# KiCad board Leonhart.kicad_pcb (continued)
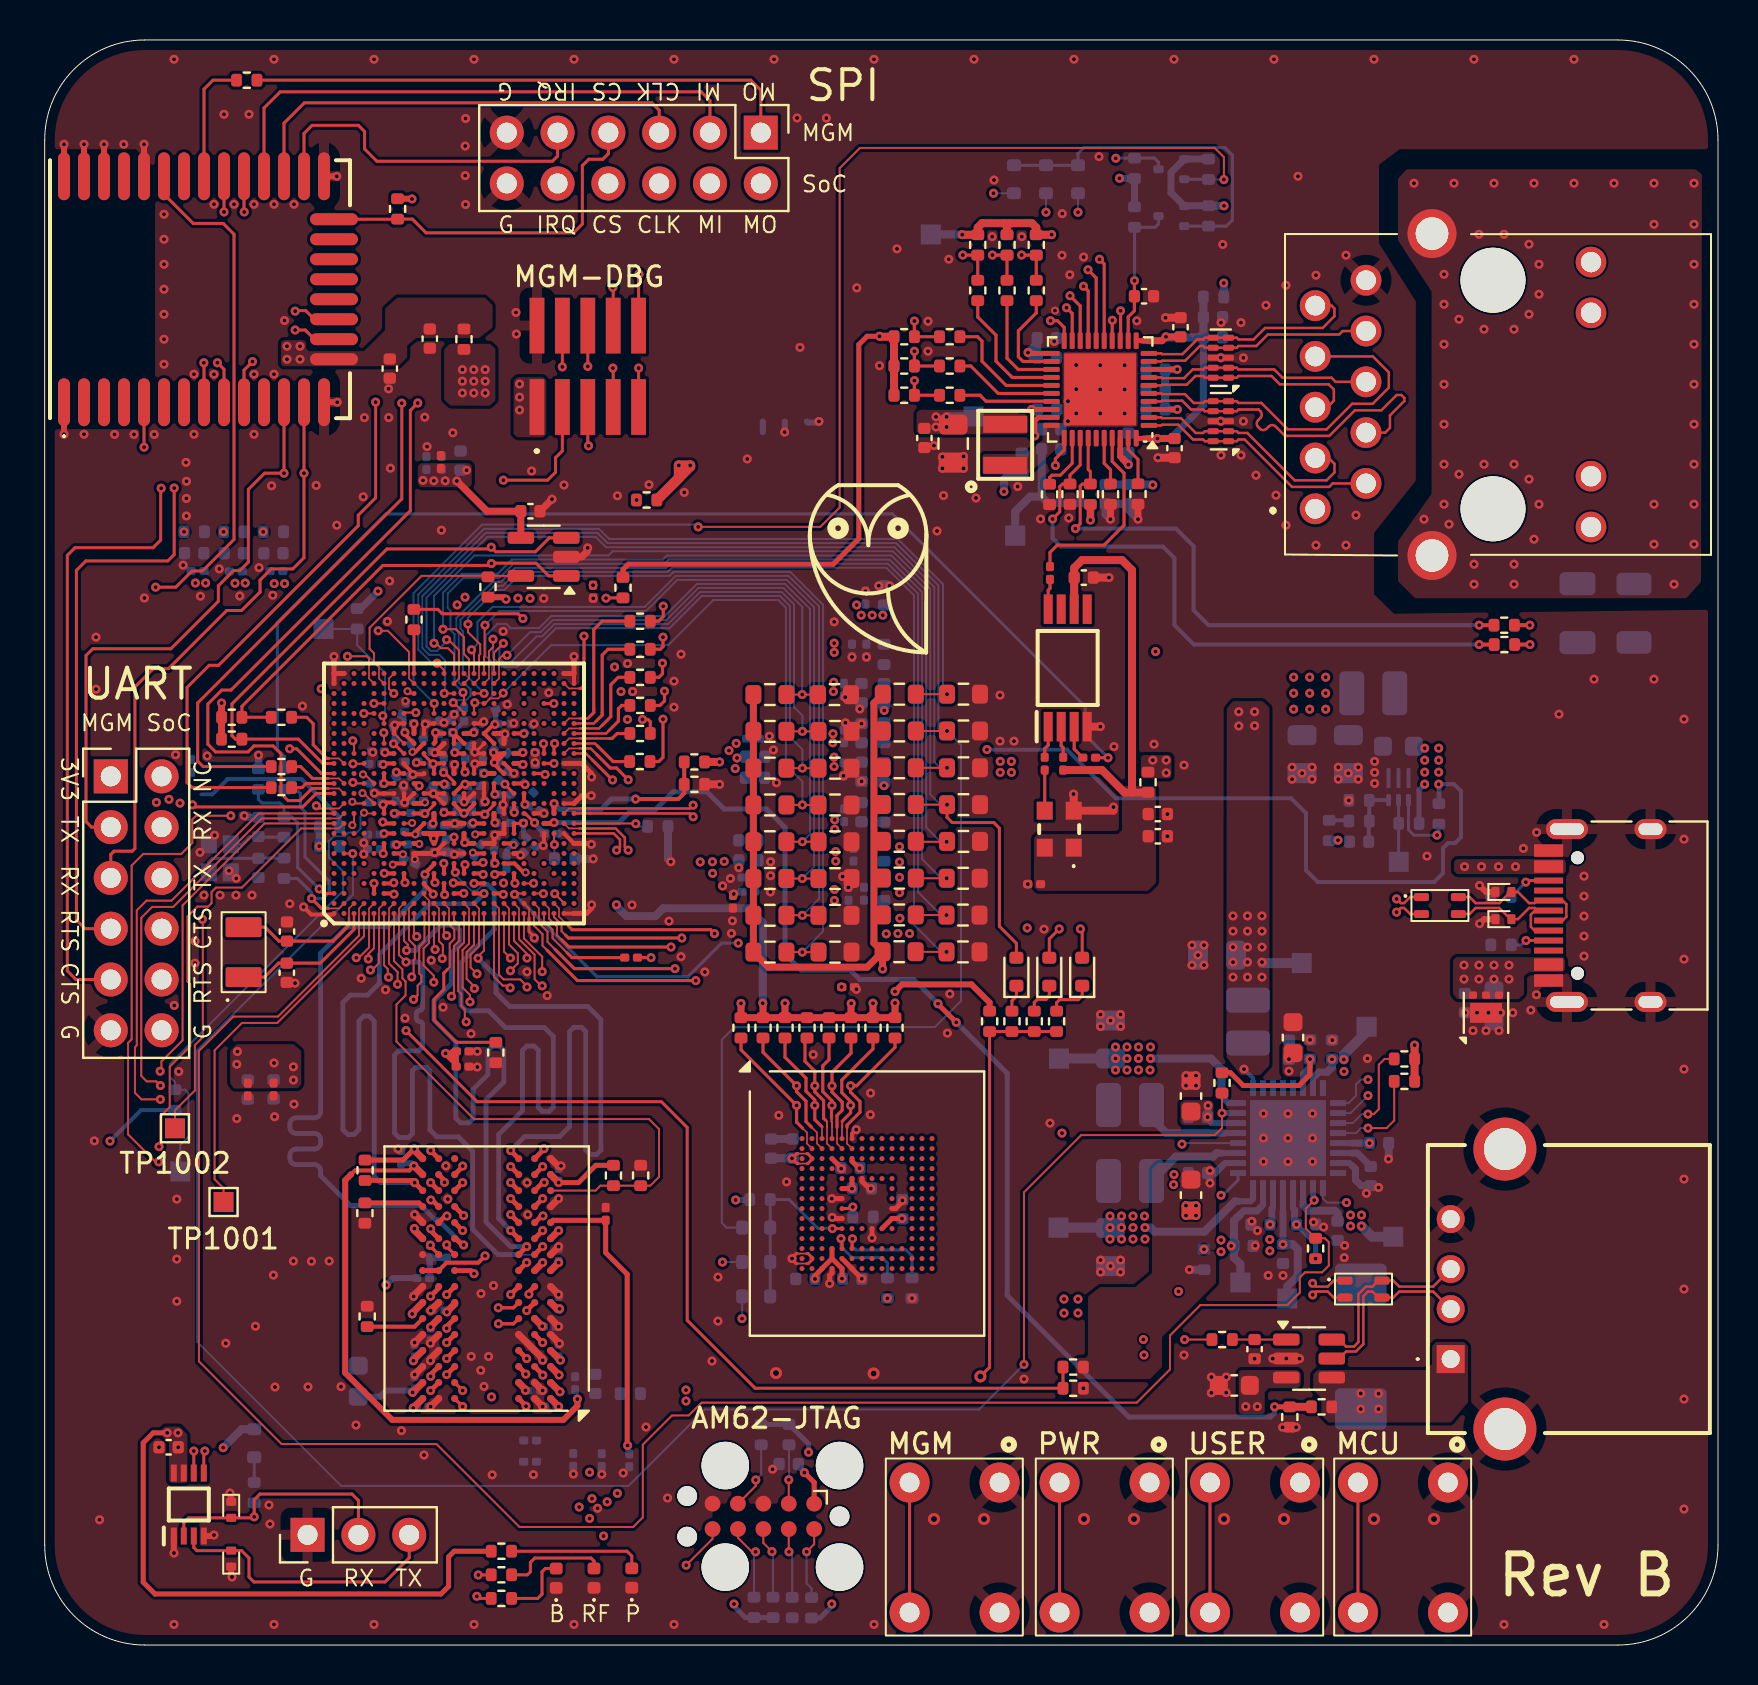
[diagram p0: board, top side]
## Routing (per net, layer and track width the routed paths; a pad name or vN(x,y) marks a point on that pad's centre or on a via; arc(x,y) is an arc through that point) (continued)
  Top w0.35: v1(19.3,16.73) U4001.G8 ; v1(27.15,54.87) 27.15,54.71 26.85,54.42 U1004.2 ; 25.3,24.33 25.67,23.96 v1(25.82,23.96) ; R5021.1 53.29,56.31 v1(53.28,56.3) ; v1(25.36,57.3) 24.76,56.7 ; v1(25.7,22.33) U4001.N1 ; v1(18.44,17.44) 18.5,17.49 18.5,17.53 U4001.H9 ; U4001.E8 19.29,15.12 19.29,15.09 v1(19.28,15.09) ; U4001.E3 U4001.D2 24.9,14.33 v1(24.9,14.24) ; v1(19.29,14.22) 19.29,14.31 U4001.D8 ; v1(18.5,13.53) U4001.C9 ; v1(24.9,12.72) U4001.B2 ; v1(25.7,15.93) U4001.F1 ; R5023.2 v1(54.66,56.3) ; v1(19.3,11.93) U4001.A8 ; v1(25.74,15.07) 25.71,15.1 25.71,15.11 U4001.E1 ; v1(24.9,11.93) U4001.A2 ; v1(18.5,21.53) U4001.M9 ; v1(18.5,15.12) U4001.E9 ; v1(25.7,19.93) U4001.K1 ; v1(25.7,17.53) U4001.H1
  Top w0.4: C5002.2 v1(55.66,59.38) ; C5001.2 56.04,66.38 v1(56.04,66.38) ; v1(52.78,45.93) 52.77,45.92 U1001.4 ; 32.99,43.04 v1(33.74,43.04) ; v1(51.44,42.56) 51.45,42.55 X1001.2 53.43,41.72 53.43,41.9 v1(53.44,41.91) ; 52.43,53.38 v1(53.21,53.38)
  Bottom w0.203: v1(20.47,46.55) 20.78,46.85 C3072.2
  Bottom w0.254: v1(19.5,39.62) 19.58,39.7 20.36,39.7 20.48,39.59 v1(20.48,39.53) 20.54,39.59 C3085.2 ; 20.66,41.04 20.55,41.04 v1(20.5,41.09) 20.4,40.98 C3110.2 ; 21.34,42.33 21.14,42.33 v1(20.97,42.16) 20.8,42.33 20.59,42.33 20.58,42.34 ; C3107.2 23.27,43.59 v1(23.46,43.59) ; C3118.2 24.58,39.98 v1(24.93,39.98) ; C3071.2 20.14,46.27 20,46.12 v1(19.96,46.12) 19.93,46.12 19.83,46.23 19.71,46.23 ; C3035.2 21.24,44.91 v1(21.5,44.65)
  Bottom w0.3: 65.37,23.97 65.24,24.1 U3001.15 ; 38.1,61.19 38.15,61.14 38.66,61.14 v1(38.71,61.19) ; 35.9,61.19 35.9,60.66 ; 37,61.19 37,60.67 v1(37,60.66)
  Bottom w0.35: 10.68,43.81 10.68,44.5 v1(10.69,44.5) ; 10.68,41.39 10.05,41.39 v1(9.97,41.47) ; C3018.2 65.82,22.97 65.54,23.25 65.54,23.8 65.37,23.97
  Bottom w0.4: C3017.2 67.2,24.32 v1(67.19,24.31) ; v1(31.3,39.17) 31.16,39.31 R6015.1 ; R6018.1 v1(27.42,39.31) ; v1(54.66,56.3) 54.14,56.82 C5013.2 C5014.2 53.04,56.54 v1(53.28,56.3) ; C6009.2 C6008.2
  vias: v1(1.96,60.55) v1(2.48,25.21) v1(2.56,50.4) v1(2.56,47.8) v1(2.74,6.26) v1(3.49,60.54) v1(3.95,75.05) v1(4.46,60.54) v1(4.98,52.36) v1(5.47,60.54) v1(5.71,9.89) v1(5.96,71.55) v1(5.96,70.3) v1(5.96,69.05) v1(5.96,67.8) v1(5.96,66.55) v1(5.96,65.3) v1(5.96,64.05) v1(6.46,79.3) v1(6.48,31.98) v1(6.46,1.03) v1(6.54,44.52) v1(6.6,22.3) v1(6.6,19.3) v1(6.6,17.19) v1(6.7,28.68) v1(6.92,54) v1(7.06,59.14) v1(7.09,58.2) v1(7.08,57.34) v1(7.08,56.46) v1(7.46,63.55) v1(7.46,60.55) v1(7.51,35.2) v1(7.51,34.1) v1(7.78,52.45) v1(7.76,39.64) v1(7.96,37.5) v1(8.12,44.46) v1(8.46,72.05) v1(8.46,63.55) v1(8.49,40.5) v1(8.73,53.82) v1(8.76,37.5) v1(8.96,76.55) v1(9.05,15.09) v1(9.21,38.72) v1(9.46,72.05) v1(9.57,38.34) v1(9.56,37.5) v1(9.6,26.33) v1(9.75,52.46) v1(10.21,76.55) v1(10.36,37.5) v1(10.46,72.05) v1(10.46,63.55) v1(10.46,60.55) v1(10.54,15.94) v1(10.72,53.88) v1(11.21,7) v1(11.26,6.05) v1(11.34,57.97) v1(11.4,52.5) v1(11.46,79.3) v1(11.46,72.05) v1(11.46,63.55) v1(11.49,26.42) v1(11.43,18.5) v1(11.46,1.03) v1(11.51,12.9) v1(11.99,66.24) v1(12.25,37.07) v1(12.46,72.05) v1(12.46,27.05) v1(12.43,19.2) v1(12.51,33.1) v1(12.89,46.95) v1(13.16,12.91) v1(13.33,19.19) v1(13.57,57.99) v1(14.22,19.2) v1(14.6,56) v1(14.81,12.92) v1(15.56,11) v1(15.82,33.34) v1(15.98,61.38) v1(15.92,57.42) v1(15.95,40.12) v1(15.95,39.55) v1(16.41,44.64) v1(16.46,79.3) v1(16.46,1.03) v1(17.04,32.77) v1(17.19,62.82) v1(17.2,61.38) v1(17.13,51.19) v1(17.28,58.85) v1(17.24,53.21) v1(17.67,24.81) v1(17.83,10.72) v1(17.95,43) v1(18.01,31.34) v1(19,61.4) v1(18.96,9.5) v1(19.12,59.93) v1(19.32,34.25) v1(19.83,55.75) v1(19.92,31.89) v1(20.06,23.96) v1(20.16,22.3) v1(20.4,60.62) v1(21.04,76.34) v1(21.02,74.96) v1(21.02,73.48) v1(21.04,72.04) v1(21.32,30.57) v1(21.32,14.43) v1(21.46,79.3) v1(21.46,1.03) v1(21.8,13.74) v1(21.81,17.58) v1(21.96,12.93) v1(22.19,14.43) v1(22.37,8.51) v1(22.44,17.98) v1(22.92,50.69) v1(22.94,38.11) v1(23.12,47.05) v1(23.45,46.09) v1(23.56,66.64) v1(23.58,65.56) v1(24.11,33.67) v1(24.12,23.12) v1(24.16,21.52) v1(24.34,58.71) v1(24.46,46.07) v1(24.43,8.52) v1(24.51,44.63) v1(24.52,44.13) v1(24.95,52.34) v1(25.2,47.62) v1(25.12,32.47) v1(25.96,58.01) v1(26.46,79.3) v1(26.43,8.55) v1(26.46,1.03) v1(27.42,52.34) v1(27.64,6.84) v1(27.85,8.54) v1(28.63,57.47) v1(28.92,8.6) v1(29.14,49.08) v1(29.39,47.68) v1(29.36,37.01) v1(30.06,10.9) v1(30.21,58.03) v1(31.14,7.35) v1(31.21,36.2) v1(31.46,79.3) v1(31.46,48.2) v1(31.46,46.9) v1(31.46,1.03) v1(31.81,49.55) v1(31.81,34.43) v1(31.97,57.64) v1(33.01,33.66) v1(33.36,14.2) v1(33.66,18.4) v1(33.66,16.2) v1(34.38,36.22) v1(34.33,35.59) v1(35.13,59.31) v1(36.23,45.45) v1(36.29,39.17) v1(36.29,38.47) v1(36.28,37.66) v1(36.39,8.79) v1(36.46,79.3) v1(36.43,44.76) v1(36.59,43.12) v1(36.7,26.49) v1(37.09,23.16) v1(37.62,76.37) v1(37.76,64.89) v1(38.42,29.53) v1(39.08,76.36) v1(39.47,51.17) v1(39.89,38.43) v1(39.94,43.47) v1(40.02,47.4) v1(40.03,46.12) v1(40.18,37.88) v1(40.36,49.41) v1(40.6,67.87) v1(40.58,32.79) v1(40.75,46.81) v1(40.84,46.08) v1(40.84,43.19) v1(41.03,52.7) v1(41.08,49.41) v1(41.29,27.6) v1(41.28,26.52) v1(41.46,79.3) v1(41.46,1.03) v1(41.7,52.97) v1(41.74,63.98) v1(42.24,52.97) v1(42.61,69.82) v1(43.36,17.34) v1(44.16,66.2) v1(44.16,64.7) v1(44.46,59.98) v1(44.61,55.71) v1(44.88,59.42) v1(44.88,58.84) v1(44.94,57.48) v1(45.2,69.3) v1(45.13,30.6) v1(45.25,32.56) v1(45.94,59.44) v1(45.94,58.84) v1(46.46,79.3) v1(46.56,57.36) v1(47.37,70.43) v1(47.46,73.26) v1(47.76,47.5) v1(47.76,45.2) v1(48.46,45.2) v1(48.65,57.94) v1(48.85,70.43) v1(48.96,13.3) v1(49.15,38.05) v1(49.79,56.31) v1(49.96,35.8) v1(50.26,26.1) v1(50.47,65.19) v1(50.87,71.58) v1(50.86,69.5) v1(51.16,62.2) v1(51.16,61.2) v1(51.2,56.36) v1(51.25,68.52) v1(51.46,79.3) v1(51.57,64.01) v1(51.57,62.8) v1(51.57,61.59) v1(51.94,69.41) v1(51.93,12.84) v1(52.71,74.43) v1(52.77,64) v1(52.77,62.79) v1(52.77,61.59) v1(52.79,31.53) v1(52.79,30.93) v1(52.79,19.25) v1(52.79,18.65) v1(53.29,31.23) v1(53.29,18.95) v1(53.46,44.93) v1(53.79,31.53) v1(53.79,30.93) v1(53.79,19.25) v1(53.79,18.65) v1(53.99,64) v1(53.99,62.79) v1(53.99,61.59) v1(54.6,66.22) v1(54.96,14.5) v1(55.46,45.05) v1(56.13,41.56) v1(56.13,40.45) v1(56.46,79.3) v1(56.46,23.53) v1(56.44,23.02) v1(56.69,17.68) v1(56.96,44) v1(56.96,14.5) v1(57.06,28.48) v1(57.06,27.98) v1(57.06,21.98) v1(57.06,21.48) v1(57.36,35) v1(57.36,34) v1(57.56,28.48) v1(57.56,27.98) v1(57.56,21.98) v1(57.56,21.48) v1(57.66,34.5) v1(57.96,35) v1(57.96,34) v1(58.33,13.4) v1(58.33,12.61) v1(58.8,64.38) v1(58.8,61.2) v1(58.9,70.04) v1(58.81,66.13) v1(58.81,59.5) v1(59.07,13.4) v1(59.07,12.62) v1(59.81,66.13) v1(59.81,59.5) v1(59.93,64.37) v1(59.93,61.2) v1(60.35,21.19) v1(60.49,14.32) v1(60.56,58.5) v1(60.52,19.97) v1(60.63,20.72) v1(60.94,26.58) v1(60.94,25.35) v1(60.94,24.18) v1(61.06,67) v1(61.17,18.48) v1(61.4,14.32) v1(61.46,79.3) v1(61.56,57.5) v1(61.89,10.89) v1(61.91,18.48) v1(62.06,68) v1(62.06,56) v1(62.08,14.33) v1(62.16,26.58) v1(62.16,25.35) v1(62.16,24.18) v1(62.37,43.9) v1(62.37,43.3) v1(62.57,10.89) v1(62.66,73.45) v1(62.74,14.32) v1(62.87,43.6) v1(63.26,30.26) v1(63.37,43.9) v1(63.37,43.3) v1(63.39,26.58) v1(63.39,25.35) v1(63.39,24.18) v1(63.44,21.15) v1(63.56,68.5) v1(63.56,55) v1(63.94,20.9) v1(64.38,30.25) v1(64.68,43.9) v1(64.68,43.3) v1(64.99,19.98) v1(64.97,19.37) v1(65.06,69.5) v1(65.06,55) v1(65.18,43.6) v1(65.21,42.24) v1(65.56,56.5) v1(65.68,43.9) v1(65.68,43.3) v1(66.08,22.59) v1(66.14,29.33) v1(66.46,79.3) v1(66.49,44.19) v1(66.49,43.64) v1(66.49,43.09) v1(66.69,22.88) v1(69.11,39.45) v1(71.01,31.62) v1(71.46,79.3) v1(71.41,30.73) v1(71.61,31.62) v1(72.06,30.73) v1(72.18,31.62) v1(72.79,31.62) v1(72.71,30.73) v1(72.96,1.03) v1(73.4,31.62) v1(73.93,39.84) v1(74.3,31.75) v1(74.59,40.64) v1(74.58,32.52) v1(75.71,46.55) v1(76.46,79.3) v1(76.96,38.45) v1(76.96,37.45) v1(76.96,36.45) v1(76.96,35.45) v1(76.96,34.45) v1(77.46,48.3) v1(77.96,1.03) v1(80.46,48.3) v1(81.96,46.3) v1(81.96,40.3) v1(81.96,34.3) v1(81.96,28.8) v1(81.96,23.3) v1(81.96,17.8) v1(81.96,12.3) v1(81.96,6.8) v2(18.03,47.21) v2(50.51,66.73) v4(36.56,13.6) v4(41.44,13.58) v4(44.46,6.3) v4(46.96,6.3) v4(51.96,6.3) v4(54.46,6.3) v4(58.96,6.3) v4(61.96,6.3) v4(66.46,6.3) v4(69.46,6.3)
VDD1V0_ETH: length 13.1
  Top w0.25: U5002.21 49.21,64.59 v1(49.16,64.64) ; U5002.3 56.25,61.79 56.25,61.79 v1(56.63,61.79) ; v1(56.62,63.79) 56.27,63.79 56.26,63.79 U5002.8 ; U5002.38 53.77,59.8
  Top w0.3: 53.77,59.8 53.77,59.44 53.9,59.31
  Top w0.35: v1(54.18,59.03) 53.9,59.31
  Bottom w0.35: C5010.1 56.61,63.78 v1(56.62,63.79) ; C5009.1 v1(56.63,61.79) ; C5007.1 v1(54.18,59.03)
  Bottom w0.4: C5010.1 56.02,62.78 C5006.1 56.02,61.79 C5009.1 ; 1V0_ETH.1 45.11,61.44 v1(45.09,61.42) ; C5005.1 49.62,65.09 v1(49.16,64.64) 49.42,64.38 C5008.1 C5005.1
  vias: v1(44.56,61.42) v1(44.56,60.91) v1(45.09,60.91)
VDD1V8_CLKBUF: length 21.1
  Top w0.4: U1001.6 C1003.1 ; 51.47,53.45 51.47,53.87 51.86,54.26 53.86,54.26 54.36,53.76 54.36,42.64 ; 54.36,42.64 FB1001.2 ; 54.36,42.64 53.98,42.64 52.87,43.75 R1020.1
VDD1V8_ETH: length 75.3
  Top w0.25: R5004.1 28.91,53.79 29.18,54.05 39.42,54.05 40.7,55.33 40.7,65.03 41.12,65.45 v1(41.74,65.45) ; U5002.28 49.34,61.79 v1(49.34,61.79)
  Top w0.4: v1(50.34,70.53) 50.34,70.53 R5001.1 49.58,70.89 49.36,71.1 48.27,71.1 ; 48.27,71.1 47.96,71.1 ; 48.27,71.1 48.11,70.95 ; 47.96,71.1 46.86,71.1 46.65,70.89 R5002.1 45.88,70.53 v1(45.87,70.53) ; 47.96,71.1 48.11,70.95 ; R5033.1 R5034.1 R5003.1 41.76,65.43 v1(41.74,65.45) ; 48.11,70.95 R5032.1
  In4.Cu w0.5: 48.26,59.05 48.26,61.02 49.04,61.79 v1(49.34,61.79) ; 48.26,59.05 48.71,58.6 ; 48.26,59.05 47.81,58.6 ; 47.81,58.6 47.42,58.2 44.54,58.2 42.61,60.13 42.61,64.58 v1(41.74,65.45) 41.74,67.12 45.14,70.53 v1(45.87,70.53) 46.44,71.1 49.77,71.1 v1(50.34,70.53) ; 47.81,58.6 48.71,58.6 ; 48.71,58.6 49.66,58.6 50.25,58.01 v1(55.4,58.01)
  Bottom w0.35: v1(49.34,61.79) C5015.1
  Bottom w0.4: v1(45.87,70.53) 45.86,70.54 1V8_ETH.1 ; 53.04,58.03 55.38,58.03 v1(55.4,58.01)
VDD_1V2: length 40
  Top w0.2: v1(22.02,19.46) 21.68,19.12 20.09,19.12 U4001.J8
  Top w0.25: U1002.R8 21.04,40.09 v1(21,40.12) 20.96,40.17 U1002.P9 ; U1002.L8 19.46,40.33 v1(19.45,40.34) ; 20.2,29.44 20.58,29.44 20.58,28.94 C3088.1 20.57,29.03 20.04,29.56 v1(20.04,29.59) 20.29,29.59 20.39,29.69 C3084.1 ; 19.7,40.59 U1002.M9 ; 19.7,40.59 19.2,40.59 ; 19.7,40.59 v1(19.45,40.34) ; v1(25.7,23.12) 26.69,23.12 27.55,23.99 R4003.1 ; v1(19.45,40.34) 19.2,40.59 ; 19.2,40.59 U1002.K9 ; U4001.J9 U4001.J8
  Top w0.254: C3084.1 20.58,29.44 ; R4005.2 17.92,24.25 18.48,24.81 v1(18.48,24.81) ; 20.2,29.44 v1(20.04,29.59)
  Top w0.35: v1(18.37,16.56) 18.37,16.6 U4001.G9 ; v1(25.72,13.5) 25.72,13.51 U4001.C1 ; U4001.D9 18.5,14.32 18.5,14.28 v1(18.43,14.22) ; v1(18.43,11.85) U4001.A9 ; U4001.D1 25.78,14.25 v1(25.78,14.25) ; U4001.F8 19.31,15.94 19.31,15.91 v1(19.29,15.9) ; v1(18.48,24.81) 18.48,24.74 U4001.T9 ; v1(18.48,20.83) 18.48,20.74 U4001.L9 ; U4001.F2 24.5,16.32 v1(24.88,15.94) ; U4001.G1 25.61,16.81 v1(25.74,16.81) ; v1(18.39,12.63) 18.46,12.71 18.48,12.71 18.9,13.12 U4001.B9 ; v1(20.11,16.65) 20.11,16.67 20.5,17.06 U4001.G7 ; v1(25.7,11.93) U4001.A1 ; v1(25.7,23.12) U4001.R1 ; v1(24.9,19.12) U4001.J2 ; v1(25.7,20.73) U4001.L1 ; U4001.B3 24.03,12.79 v1(24.03,12.74) ; v1(25.7,19.12) U4001.J1
  Bottom w0.152: v1(53.26,20.88) C3009.1
  Bottom w0.3: v1(17.06,18) 17.41,18.35 C4004.1 ; U3001.24 60.41,22.31 60.29,22.19 59.69,22.19 ; C4005.1 16.77,12.42 17.07,12.72 18.21,12.72 18.23,12.71 18.32,12.71 v1(18.39,12.63)
  Bottom w0.35: 59.69,22.19 59.5,22.19
  Bottom w0.4: v1(55.01,20.88) 55.29,20.88 55.49,20.67 57.98,20.67 59.5,22.19
  Bottom w0.5: VDD_1V2.1 v1(53.26,20.88)
  vias: v1(9.6,29.05) v1(9.63,29.68) v1(11.46,29.11) v1(12.43,28.92) v1(12.43,28.26) v1(22.34,12.41) v1(53.26,21.45) v1(53.26,20.3) v1(53.84,21.45) v1(53.84,20.88) v1(53.84,20.3) v1(54.41,21.45) v1(54.41,20.88) v1(54.41,20.3) v1(54.99,21.45) v1(55.01,20.3)
VDD_1V8: length 197.7
  Top w0.2: v1(22.51,46.04) 22.43,46.04 21.98,45.59 U1002.T19 U1002.U18 ; U1002.G12 17.42,42.13 17.02,42.13 v1(16.92,42.03) 16.96,41.98 U1002.F11 ; U1002.N18 20.46,45.58 v1(20.42,45.63) U1002.P18 ; U1002.W19 23.96,45.59 v1(23.96,45.58) ; v2(21.41,39.62) 21.45,39.62 21.49,39.59 U1002.T7 ; v1(18.01,45.63) 17.99,45.62 17.99,45.56 U1002.J18 ; v1(16.9,41.16) 16.91,41.17 16.96,41.17 17.01,41.11 17.01,41.09 17.02,41.09 U1002.G10
  Top w0.25: U6002.N4 U6002.P3 ; U6002.N4 U6002.P5 v1(39.86,18.33) ; U6002.N4 U6002.M4 ; v1(38.51,18.31) 38.51,18.47 38.86,18.82 ; U1002.W16 23.87,44.09 v1(23.91,44.04) ; v1(40.74,23.84) 40.71,23.84 40.36,24.2 U6002.C6 ; v1(37.98,8.62) 38.47,8.13 J1002.1
  Top w0.254: 38.86,18.82 U6002.P3
  Top w0.3: v1(42.51,32.68) 42.87,33.04 46.34,33.04 47.24,32.13 R1001.1
  Top w0.35: R1010.1 41.46,35.1 41.46,47.11 R1017.1 ; R1010.1 41.12,33.9 36.19,33.9 R1009.1 R1008.1 R1007.1 R1006.1 R1005.1 R1004.1 R1003.1 R1002.1 ; R1010.1 v1(41.89,33.81) ; R6009.1 v1(41.41,32.09) ; R6009.1 R6004.1 v1(42.51,32.11) ; R6009.1 R6005.1 ; R6011.1 R6006.1 R6010.1 R6005.1 ; R6011.1 R6007.1 ; R6011.1 v1(37.01,32.09) ; R6007.1 R6008.1 v1(34.81,32.09) ; R6007.1 35.91,32.09 v1(35.9,32.09) ; R6005.1 40.31,32.08 v1(40.32,32.09)
  In2.Cu w0.25: v1(58.96,71.97) 59.39,71.97 59.61,71.75 59.61,69.75 57.3,67.44 57.3,51.44 v1(55.54,49.68)
  In2.Cu w0.4: v1(28.49,48.91) 28.29,48.7 28.29,47.14 v1(29.14,46.29)
  In3.Cu w0.1: 24.3,43.76 24.31,43.76 24.36,43.76 24.36,43.76 24.67,43.76 24.98,44.07 ; 23.99,38.15 23.57,38.57 23.18,38.57 22.9,38.85 22.9,39.14 22.91,39.15
  In3.Cu w0.15: 22.88,39.36 22.91,39.33 22.91,39.15
  In3.Cu w0.2: v1(23.91,44.04) 24.19,43.76 24.3,43.76 ; 22.88,39.36 22.67,39.57 21.46,39.57 v2(21.41,39.62) ; 23.99,38.15 23.99,37.65
  In3.Cu w0.25: 24.98,44.07 24.98,44.24 25.31,44.57 25.72,44.57 25.89,44.73
  In3.Cu w0.3: 23.99,37.65 24.57,37.07 25.89,37.07 26.39,37.57 28.03,37.57 v1(28.58,37.02)
  In3.Cu w0.35: v1(20.42,45.63) 19.91,45.13 19.33,45.13 19.07,45.38 18.26,45.38 v1(18.01,45.63)
  In3.Cu w0.4: v1(29.14,46.29) 27.44,46.29 25.89,44.73
  In5.Cu w0.5: v1(54.11,29.91) v1(54.11,28.76) ; 55.26,28.3 54.81,28.76 v1(54.69,28.76) ; 55.26,28.3 59.56,24 59.56,20.79 59.92,20.43 59.92,19.58 60.4,19.1 62.22,19.1 62.59,19.47 v1(62.59,21.03) ; 55.26,28.3 v1(55.26,28.76) ; v1(54.69,28.76) 54.71,28.76 v1(55.29,29.33) ; v1(54.69,28.76) v1(53.54,29.91) ; v1(54.69,28.76) v1(54.69,29.33) ; v1(54.69,28.76) v1(54.69,29.91) v1(53.54,28.76) ; v1(54.69,28.76) v1(55.26,28.76) ; v1(53.54,29.91) v1(53.54,28.76) ; v1(53.54,29.91) v1(55.29,29.91) ; v1(53.54,29.33) v1(55.29,29.33) ; v1(55.29,29.33) 55.29,28.78 ; v1(55.29,29.33) v1(54.69,29.33) ; 55.29,28.78 v1(55.29,29.91) ; 55.29,28.78 v1(55.26,28.76) ; v1(54.69,29.33) 55.26,29.91 v1(55.29,29.91) ; v1(53.54,28.76) v1(55.26,28.76)
  Bottom w0.152: 50.77,29.33 50.76,29.33 VDD_1V8.1
  Bottom w0.2: 14.74,40.92 14.74,41.4 12.84,43.31 9.14,43.31 8.38,42.54 7.84,42.54 ; v1(3.26,25.2) 4.81,26.75 R1018.1
  Bottom w0.203: v1(20.42,45.63) 20.97,46.19 C3072.1
  Bottom w0.25: v1(39.35,2.05) 39.35,1.93 38.77,1.35 R1056.1 ; v1(62.59,21.03) 63.54,20.08 v1(63.54,19.32) ; C3066.1 17.96,46.42 17.96,45.69 v1(18.01,45.63) ; R1054.1 R1055.1 38.19,10.05 v1(38.19,9.64) ; R1057.1 R1058.1 35.03,1.37 34.46,1.94 v1(34.46,2.05) ; v1(22.51,46.04) 22.55,46.08 C3068.1 ; C1009.1 37.68,8.92 v1(37.98,8.62)
  Bottom w0.254: v1(22.51,46.04) 22.54,46.07 C3067.1
  Bottom w0.3: U3001.32 59.19,27.1 58.84,27.45 ; 35.25,22.26 v1(34.54,22.26) ; U3001.20 62.41,21.84 62.49,21.76
  Bottom w0.35: R5028.1 56.99,71.98 Q5001.1 56.31,72.62 56.31,73.64 Q5002.1 56.99,74.31 58.19,74.31 ; v1(62.59,21.03) 62.49,21.12 62.49,21.76 ; 58.84,27.45 58.84,27.71
  Bottom w0.4: 58.84,27.71 58.84,28.8 58.31,29.33 v1(55.29,29.33) ; v1(35.9,32.09) 35.9,36.12 35.18,36.84 30.92,36.84 30.53,36.45 29.08,36.45 28.58,36.95 v1(28.58,37.02) ; R5028.1 58.96,71.98 v1(58.96,71.97)
  Bottom w0.5: 50.77,29.33 C3006.1
  vias: v1(5.58,42.14) v1(6.21,42.29) v1(6.76,42.1) v1(40.59,52.01) v1(40.82,51.5) v1(41.37,51.5) v1(41.9,51.5) v1(42.13,17.34) v1(50.96,17.3) v1(50.96,16.6) v1(51.66,17.3) v1(51.66,16.6) v1(54.11,29.33) v1(55.4,44.25) v1(56.07,44.25) v1(56.07,43.62)
VDD_2V5: length 5.8
  Bottom w0.3: 60.8,21.9 60.91,22.01 U3001.23
  Bottom w0.35: 59.78,21.54 59.95,21.71 60.61,21.71 60.8,21.9
  Bottom w0.4: 59.78,21.54 59.46,21.22 C3016.1 59.46,19.38 59.78,19.05 VDD_2V5.1
  vias: v1(32.06,12.75) v1(32.06,12.2) v1(58.81,20.25) v1(58.81,19.67) v1(59.32,19.96)
VDD_3V3: length 105.3
  Top w0.2: U1002.K10 18.63,40.75 18.63,40.59 ; U1002.L18 19.53,45.15 19.53,45.62 v1(19.54,45.63) 19.59,45.59 U1002.M19 ; v1(24.01,42.04) 23.96,42.08 U1002.Y13 ; v1(16.96,43.09) 16.96,43.09 U1002.G14 ; U1002.H9 18.01,40.54 v2(18.52,40.54) ; U1002.F15 16.96,43.09
  Top w0.203: 16.96,43.09 v1(16.96,43.09)
  Top w0.25: U6002.F5 v1(40.36,22.83) U6002.E6 ; v1(63.26,29.3) 63.26,28.53 62.71,27.98 59.92,27.98 59.28,28.62 R3005.1 ; v1(42.86,21.33) U6002.J10 U6002.K9 ; R7001.1 20.47,4.69 20.19,4.41 20.19,2.93 19.81,2.55 5.51,2.55 4.92,3.14 4.92,10.11 5.42,10.61 v1(6.12,10.61)
  Top w0.3: R1060.1 22.96,52.4 v1(23.06,52.3)
  Top w0.35: v1(20.6,58.21) 22.11,56.7 C1010.1 23.8,55.37 U1004.4 ; R1044.1 R1043.1 8.84,47.1 v1(8.84,47.11)
  Top w0.4: 68.49,28.19 v1(68.49,30)
  In3.Cu w0.1: 15.49,43.61 15.86,43.98
  In3.Cu w0.15: 17.49,40.54 17.06,40.11
  In3.Cu w0.2: 15.86,43.98 16.07,43.98 16.34,43.71 16.34,43.45
  In3.Cu w0.25: 16.34,43.45 16.71,43.09 v1(16.96,43.09) ; v1(24.01,42.04) 24.78,42.04 25.27,42.53 25.81,42.53 26.06,42.28 ; 15.49,43.61 14.51,43.61 13.4,44.72 13.06,44.72
  In3.Cu w0.3: 13.73,41.42 14.65,40.5 15.67,40.5 15.76,40.59 16.15,40.59 16.15,40.59 16.66,40.08 17.03,40.08 17.06,40.11
  In3.Cu w0.36: v2(18.52,40.54) 17.49,40.54
  In3.Cu w0.5: 43.94,31.55 43.94,34.28 43.49,34.73 41.21,34.73 40.75,35.19 40.75,41.04 39.19,42.6 37.57,42.6 37.2,42.23 33.36,42.23 32.89,42.7 32.06,42.7 31.04,41.68 26.66,41.68 26.06,42.28
  In5.Cu w0.2: v1(68.49,30) 68.31,29.81 63.78,29.81 v1(63.26,29.3)
  Bottom w0.3: U3001.22 61.41,21.87 61.35,21.81 ; v1(63.26,29.3) 63.26,28.92 62.91,28.57 U3001.6
  Bottom w0.35: v1(16.66,52.7) 15.79,51.83 15.62,51.83 ; v1(61.27,21.03) 61.35,21.12 61.35,21.81
  Bottom w0.4: D1004.2 9.84,10.79 v1(8.92,9.87) ; FB5003.1 48.25,58.59 47.96,58.3 v3(47.96,57.68) ; FB5001.2 v3(58.95,68.11)
  vias: v1(6.66,10.61) v1(6.67,9.89) v1(18.91,58.24) v1(19.45,58.22) v1(20.02,58.22) v1(20.88,63.78) v1(20.88,63.2) v1(20.88,62.61) v1(21.09,58.75) v1(21.45,63.78) v1(21.45,63.2) v1(21.45,62.61) v1(22.02,63.78) v1(22.02,63.2) v1(22.02,62.61) v1(47.77,44.19) v1(47.77,43.64) v1(48.33,44.19) v1(48.33,43.64) v1(62.45,48.4) v1(62.45,47.6) v1(62.45,46.8) v1(63.25,48.4) v1(63.25,47.6) v1(63.25,46.8) v1(64.05,48.4) v1(64.05,47.6) v1(64.05,46.8) v1(64.66,40.25) v3(27.42,53)
VDD_CANUART: length 20.3
  Top w0.2: U1002.F8 16.96,39.6 16.94,39.58 v1(16.92,39.58)
  In4.Cu w0.4: v1(9.51,53.1) 10.01,53.1 v1(10.02,53.11) 10.69,52.44 10.69,45.29 11.22,44.76 11.22,42.39 11.46,42.15 11.46,41.22 13.42,39.26 14.58,39.26 14.99,38.85 16.19,38.85 v1(16.92,39.58)
VDD_CORE: length 18.9
  Top w0.15: v1(19.42,44.07) 19.41,44.07 18.96,44.51 U1002.K17 ; U1002.U12 22.46,42.02 22.03,41.58 22.03,41.55 v1(22.01,41.54) ; U1002.L12 19.46,42.02 19.02,41.58 v1(19.01,41.58)
  Top w0.152: v1(22.48,44.13) 22.52,44.09 22.53,44.09
  Top w0.2: v1(18.72,42.97) 18.6,43.09 U1002.J14 ; U1002.V8 23.38,40.09 v2(23.45,40.01) ; 22.49,44.59 22.67,44.41 22.82,44.41 ; 22.49,44.59 22.52,44.56 22.52,44.17 v1(22.48,44.13) ; 22.49,44.59 U1002.V17 22.96,44.56 22.82,44.41 ; v1(22.48,44.13) 22.5,44.11 22.52,44.11 22.82,44.41 ; v1(22.48,44.13) 22.45,44.17 v1(22.45,44.63) ; v1(22.48,44.13) 22.52,44.1 22.52,44.01 22.94,43.59 U1002.V15 ; v1(20.5,44.63) 20.55,44.59 U1002.P17 ; v1(22.01,41.54) 22.01,41.54 21.96,41.59 U1002.R11 ; U1002.H8 17.66,40.09 v1(17.59,40.02) ; U1002.N13 20.93,43.05 v1(21.01,43.05) 21.05,43.09 U1002.R14 ; U1002.L15 19.46,44.03 v1(19.42,44.07) 19.44,44.09 U1002.M16 ; U1002.N8 v1(20.46,40.4) ; U1002.J11 18.93,41.59 18.94,41.58 v1(19.01,41.58)
  Top w0.203: U1002.N11 19.99,41.59 19.96,41.61 v1(19.96,41.63) ; 22.49,44.59 v1(22.45,44.63)
  In4.Cu w0.35: v1(17.59,40.02) 17.59,40.22 17.89,40.53 17.89,41.31 18.17,41.59 19,41.59 v1(19.01,41.58)
  Bottom w0.152: 60.88,34.1 60.85,34.12
  Bottom w0.2: v1(59.96,28.8) 60.41,28.35 U3001.1
  Bottom w0.254: 20.07,40.34 20.23,40.34 20.29,40.4 v1(20.46,40.4) ; 20.6,44.98 20.6,44.73 v1(20.5,44.63) ; v2(23.45,40.01) 23.38,39.94 23.3,39.94 23.09,39.73 23.09,39.48
  Bottom w0.5: VDD_CORE.1 60.88,34.1
  vias: v1(8.94,55.67) v1(33.89,37.96) v1(34.28,38.33) v1(34.45,37.56) v1(34.7,38.87) v1(41.97,46.74) v1(41.96,42.98) v1(42.08,35.57) v1(42.66,35.58) v1(42.76,36.34) v1(43.24,35.58) v1(59.41,36.46) v1(59.41,35.7) v1(59.41,34.9) v1(59.41,34.15) v1(59.41,33.4) v1(59.7,46.67) v1(59.7,45.96) v1(60.14,36.46) v1(60.14,35.7) v1(60.14,34.9) v1(60.14,34.15) v1(60.14,33.4) v1(60.49,46.67) v1(60.49,45.97) v1(60.86,36.46) v1(60.86,35.7) v1(60.86,34.9) v1(60.86,34.15) v1(60.86,33.4)
VDD_MGM: length 45.6
  Top w0.3: R2002.1 18.35,72.33 v1(18.36,72.32)
  In4.Cu w0.5: v1(12.76,64.3) v1(12.11,64.95) ; v1(12.76,64.3) v1(12.76,64.95) ; v1(12.76,64.3) v1(12.11,64.3) ; v1(12.11,64.95) 9.82,64.95 9.5,64.63 9.5,62.63 9.01,62.14 8.24,62.14 3.65,57.55 3.65,45.73 3.3,45.38 J2001.1 ; v1(12.11,64.95) v1(12.76,64.95) ; v1(12.11,64.95) v1(12.11,64.3) ; v1(12.76,64.95) v1(12.11,64.3) ; v1(12.76,64.95) 22.55,64.95 23.74,63.76 v1(23.74,63.06) v1(23.74,61.76)
  vias: v1(23.74,62.4)
VDD_SD: length 78.4
  Top w0.5: v1(31.7,58.99) v1(32.27,58.99) 32.27,58.93 FB3011.1 31.7,58.36 v1(31.7,58.99)
  In4.Cu w0.5: 62.01,49.41 61.58,48.98 61.58,45.37 61.01,44.8 57.52,44.8
  In4.Cu w0.7: 57.52,44.8 55.38,46.94 50.19,46.94 39.65,57.48 33.21,57.48 v1(31.7,58.99) ; v1(64.95,29.28) 66.51,30.84 66.51,41.3 67.52,42.31 67.52,48.51 66.62,49.41 62.01,49.41 ; v1(64.95,29.28) 64.94,29.29 v1(64.36,29.29) 64.96,28.69 v1(64.96,28.68) 64.96,29.27 v1(64.95,29.28) ; v1(32.27,58.99) 32.27,58.43
  Bottom w0.3: U3001.7 63.41,28.36 63.56,28.5 ; v1(64.36,29.29) C3013.1
  Bottom w0.35: 64.11,28.65 63.71,28.65 63.56,28.5
  Bottom w0.4: 64.11,28.65 64.36,28.9 v1(64.36,29.29)
  Bottom w0.5: v1(32.27,58.99) 32.28,58.99 ; v1(64.95,29.28) 64.95,29.52 66.09,30.66 VDD_SD.1
VDDA3V3_ETH: length 14.5
  Top w0.25: U5002.11 54.91,65.23 ; U5002.40 54.59,60.34 54.94,60.34
  Top w0.3: 54.91,65.23 55.19,65.23 ; 55.16,60.34 54.94,60.34
  Top w0.35: 55.16,60.34 v1(55.63,60.34) C5002.1 ; 55.19,65.23 55.87,65.23 v1(56.06,65.43) 56.07,65.42 C5001.1
  Bottom w0.35: C5004.1 57.93,61.99 56.28,60.34 v1(55.63,60.34)
  Bottom w0.4: FB5001.1 C5003.1 57.93,65.39 C5004.1 56.1,65.39 v1(56.06,65.43)
VDDA_1V8: length 46.1
  Top w0.2: v1(16.92,44.04) 16.96,44.07 16.97,44.07 16.98,44.09 U1002.G16 ; v2(17.91,39.54) 17.87,39.59 U1002.G7 ; U1002.T9 21.61,40.59 21.56,40.53 21.55,40.53 21.54,40.54 v2(21.52,40.54)
  In2.Cu w0.4: v1(42.74,39.16) v1(42.74,38.39) v1(42.74,37.62) 39.84,34.73 v1(39.84,32.91)
  In4.Cu w0.1: v2(17.91,39.54) 17.49,39.54 16.94,40.1
  In4.Cu w0.2: 15.54,40.54 16.23,40.54 16.67,40.1 16.94,40.1 ; 21.55,40.51 v2(21.52,40.54) ; 21.55,40.51 21.55,40.47 ; 21.55,40.51 21.55,40.11 22.11,39.54 22.94,39.54 23.41,39.07 24.19,39.07 24.53,38.73
  In4.Cu w0.3: 15.54,40.54 15.02,40.54 ; 26.15,37.68 25.7,38.13 25.13,38.13 24.53,38.73
  In4.Cu w0.4: 26.15,37.68 26.38,37.45 26.38,36.78 30.48,32.67 39.61,32.67 v1(39.84,32.91) ; 14.15,42.7 14.63,43.18 14.62,43.18 13.66,43.18 14.15,42.69 14.15,40.92 14.53,40.54 15.02,40.54
  Bottom w0.3: 61.91,21.68 U3001.21
  Bottom w0.35: v1(61.91,20.04) 61.91,21.68
  Bottom w0.4: VDDA_1V8.1 62.13,17.94 62.65,18.45 62.65,19.8 62.41,20.04 v1(61.91,20.04)
  vias: v1(6.96,55.67) v1(10.92,55.67) v1(42.74,39.92) v1(61.25,20.28) v1(61.25,19.71)
VDDA_1V8_CSIRX: length 19.1
  Top w0.102: 23.94,43.09 23.99,43.03 v1(24.02,43.03)
  Top w0.2: U1002.W14 23.94,43.09
  In4.Cu w0.2: 25.54,43.32 25.33,43.11 24.1,43.11 v1(24.02,43.03)
  In4.Cu w0.4: 25.54,43.32 25.76,43.32 28.12,45.68 31.54,45.68 32.37,46.51 36.08,46.51 37.47,45.12 38.96,45.12 ; 38.96,45.12 v1(39.4,45.12) 39.39,45.14 39.39,45.55 v1(39.41,45.57) 38.96,45.12 38.96,45.12
VDDA_1V8_MCU: length 28.6
  Top w0.254: v1(19.42,41.09) 19.42,41.11 19.46,41.16 U1002.L11
  In4.Cu w0.1: 19.08,40.5 19.08,40.15 19.14,40.08
  In4.Cu w0.15: 19.14,40.08 19.14,39.88 19.05,39.78 19.05,39.57 ; 19.08,40.5 19.08,40.75 v1(19.42,41.09)
  In4.Cu w0.25: 18.54,37.87 18.54,38.73 19.05,39.23 19.05,39.57
  In4.Cu w0.4: 18.54,37.87 18.54,37.67 17.9,37.02 15.32,37.02 13.78,38.56 11.79,38.56 10.69,39.67 10.69,41.53 9.84,42.37 9.84,51.31 v1(8.04,53.11) v1(7.53,53.11)
VDDA_1V8_OLDI: length 22.9
  Top w0.15: U1002.W10 23.92,41.09 v1(23.93,41.1)
  Top w0.2: U1002.W9 U1002.W10
  In4.Cu w0.2: 25.94,42.28 25.72,42.5 25.15,42.5 24.98,42.33
  In4.Cu w0.3: 24.98,42.33 23.93,41.28 v1(23.93,41.1) ; 25.94,42.28 26.22,42 27.52,42 28.3,42.78 29.9,42.78 30.01,42.9 30.31,42.9
  In4.Cu w0.4: v1(39.55,39.2) v1(39.55,39.68) 40.31,40.44 40.31,41.75 39.53,42.54 37.59,42.54 37.4,42.35 32.81,42.35 32.26,42.9 30.31,42.9
  Bottom w0.25: v1(23.93,41.1) 23.93,40.53 C3118.1
